# KiCad board AnalogFNN.kicad_pcb (continued)
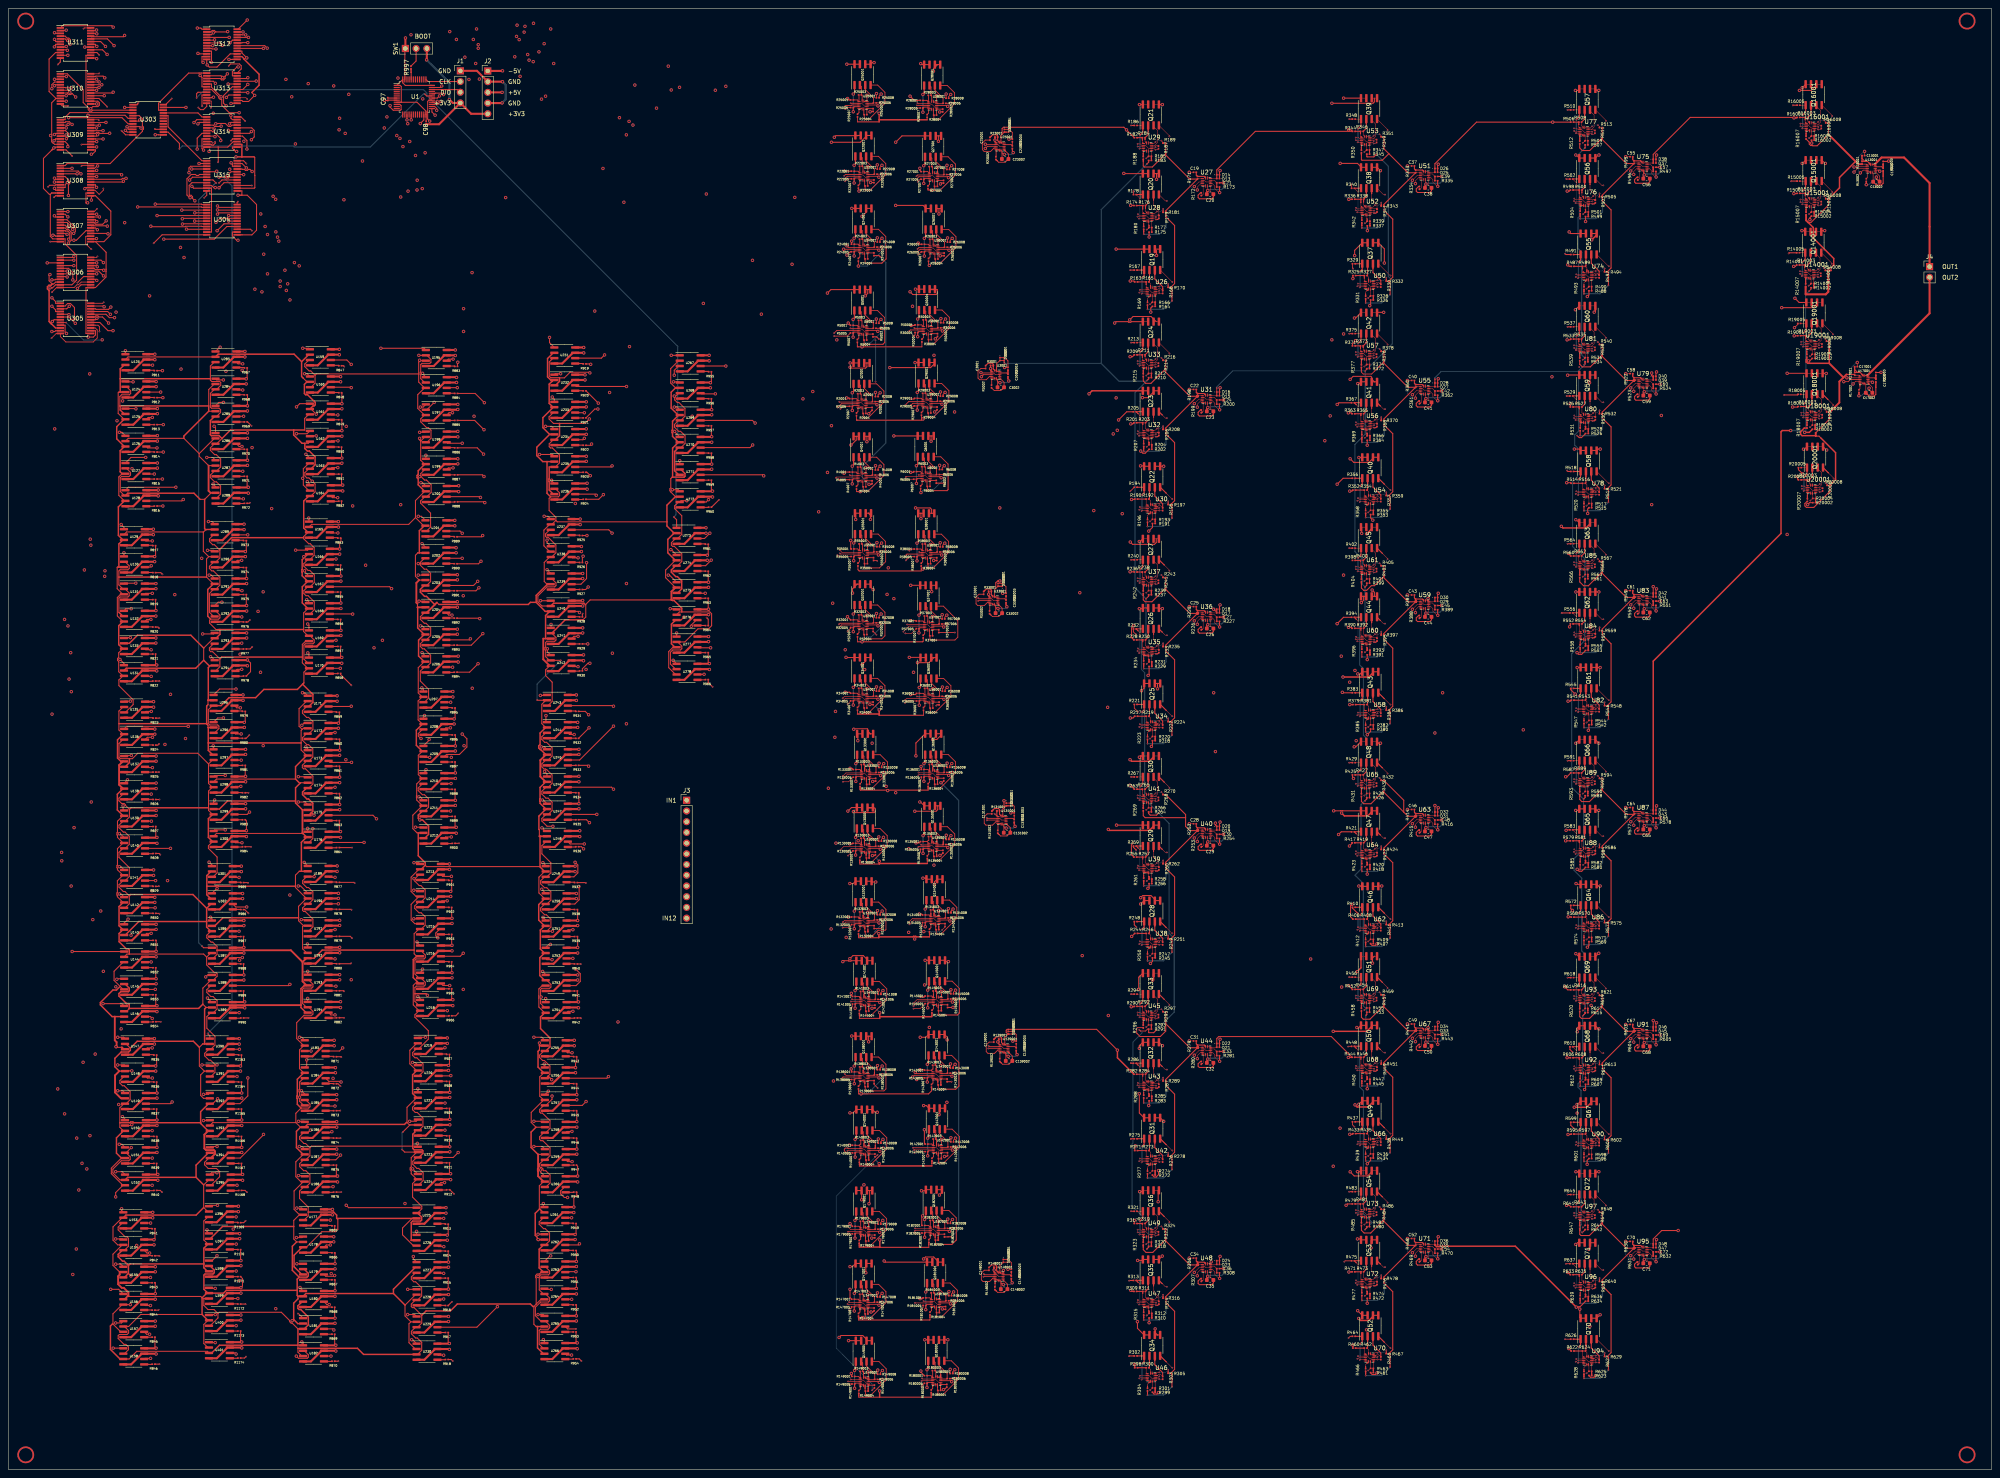
[diagram p0: board, top side]
## Routing (per net, layer and track width the routed paths; a pad name or vN(x,y) marks a point on that pad's centre or on a via; arc(x,y) is an arc through that point) (continued)
Net-(U5001D--): length 5.8
  Top w0.2: v1(203.39,272.45) 203.44,272.4 U5001.12 202.84,270.95 U5001.13 ; v1(205.69,272.85) 205.69,271.87
  Bottom w0.2: v1(203.39,272.45) 205.29,272.45 v1(205.69,272.85)
Net-(U6001A--): length 3
  Top w0.2: 216.54,237.78 U6001.1 216.14,236.65 R6001.2
Net-(U6001B--): length 2.3
  Top w0.2: U6001.6 217.14,234.65 U6001.5 216.54,233.62 R6007.1
Net-(U6001C--): length 3
  Top w0.2: R6002.2 218.52,234.57 U6001.8 218.41,234.62 R6004.1
Net-(U6001D--): length 5.8
  Top w0.2: U6001.13 217.84,236.25 U6001.12 218.44,237.7 v1(218.39,237.75) ; v1(220.69,238.15) 220.69,237.17
  Bottom w0.2: v1(218.39,237.75) 220.29,237.75 v1(220.69,238.15)
Net-(U13001B-+): length 8.8
  Top w0.15: 440.54,308.15 439.56,308.15 v1(438.91,307.5) ; v1(439.91,312.6) 439.91,311.62
  Top w0.25: 440.54,308.15 U13001.4
  Bottom w0.15: v1(439.91,312.6) 439.71,312.6 438.51,311.4 438.51,307.9 v1(438.91,307.5)
Net-(U13001B--): length 2.7
  Top w0.15: U13001.5 441.14,307.75 U13001.6 ; 440.54,307.75 440.54,306.35 R13002.1
  Top w0.25: 441.22,307.68 U13001.6
Net-(U13001C--): length 9.1
  Top w0.15: 443.48,305.4 443.48,306.71 U13001.8
  Top w0.2: v1(440.31,304.7) R13002.2 ; 443.48,305.4 442.71,306.17 v1(442.71,306.5)
  Top w0.25: 443.09,305.79 C13002.1 ; 440.31,305.09 R13002.2
  Bottom w0.2: v1(442.71,306.5) 440.91,304.7 v1(440.31,304.7)
Net-(U13001D-+): length 3.7
  Top w0.2: U13001.11 443.97,308.95 C13003.2
  Top w0.25: 444.31,309.1 C13003.2 444.31,309.1 ; 444.31,309.1 444.31,309.34 ; 444.31,309.34 R13003.1 444.31,309.34
Net-(U14001A--): length 3.5
  Top w0.1: U14001.1 425.72,284.52 425.72,285.65
  Top w0.25: 425.72,285.09 425.72,285.09 R14003.1 ; R14001.2 425.72,285.65 ; 425.86,284.39 U14001.1
Net-(U14001B--): length 3.1
  Top w0.1: U14001.5 426.59,282.65 426.74,282.5
  Top w0.25: 425.94,281.89 425.94,282.6 425.97,282.63 425.99,282.63 U14001.5 ; 425.94,281.89 425.94,281.89 R14007.1 ; 425.94,281.89 425.94,281.17 ; 426.67,282.58 U14001.6
Net-(U14001C--): length 2.9
  Top w0.1: 427.86,281.25 427.86,282.62
  Top w0.25: 427.86,281.25 427.86,280.75 ; 427.86,280.75 427.86,280.75 R14002.2 ; 427.86,280.75 427.86,280.25 ; U14001.8 427.86,282.62
Net-(U14001D--): length 4.2
  Top w0.1: v2(430.24,284.95) 430.62,284.57 430.62,284.46 ; v2(428.84,284.65) 428.44,284.25 U14001.12 427.74,284.4 U14001.13
  Top w0.25: 430.62,284.46 430.62,284.46 R14008.1
  Bottom w0.1: v2(430.24,284.95) 429.14,284.95 v2(428.84,284.65)
Net-(U15001A--): length 3.5
  Top w0.1: 425.82,302.65 425.82,301.52 U15001.1
  Top w0.25: R15001.2 425.82,302.65 ; 425.82,302.09 425.82,302.09 R15003.1 ; 425.96,301.39 U15001.1
Net-(U15001B--): length 3.1
  Top w0.1: U15001.5 426.69,299.65 426.84,299.5
  Top w0.25: R15007.1 426.04,298.89 426.04,298.89 ; 426.04,298.17 426.04,298.89 ; 426.04,298.89 426.04,299.6 426.07,299.63 426.09,299.63 U15001.5 ; 426.77,299.58 U15001.6
Net-(U15001C--): length 2.9
  Top w0.1: 427.96,298.25 427.96,299.62
  Top w0.25: 427.96,298.25 427.96,297.75 ; 427.96,297.75 427.96,297.25 ; 427.96,297.75 427.96,297.75 R15004.1 ; U15001.8 427.96,299.62
Net-(U15001D--): length 4.2
  Top w0.1: v2(430.34,301.95) 430.72,301.57 430.72,301.46 ; U15001.13 427.84,301.4 U15001.12 428.54,301.25 v2(428.94,301.65)
  Top w0.25: 430.72,301.46 430.72,301.46 R15008.1
  Bottom w0.1: v2(430.34,301.95) 429.24,301.95 v2(428.94,301.65)
Net-(U16001A--): length 3.5
  Top w0.1: 425.82,320.65 425.82,319.52 U16001.1
  Top w0.25: R16001.2 425.82,320.65 ; R16003.1 425.82,320.09 425.82,320.09 ; 425.96,319.39 U16001.1
Net-(U16001B--): length 3.1
  Top w0.1: 426.84,317.5 426.69,317.65 U16001.5
  Top w0.25: U16001.5 426.09,317.63 426.07,317.63 426.04,317.6 426.04,316.89 ; 426.04,316.89 426.04,316.89 R16007.1 ; 426.04,316.89 426.04,316.17 ; 426.77,317.58 U16001.6
Net-(U16001C--): length 2.9
  Top w0.1: 427.96,316.25 427.96,317.62
  Top w0.25: 427.96,315.75 427.96,315.75 R16004.1 ; 427.96,315.75 427.96,316.25 ; 427.96,315.75 427.96,315.25 ; U16001.8 427.96,317.62
Net-(U16001D--): length 4.2
  Top w0.1: U16001.13 427.84,319.4 U16001.12 428.54,319.25 v2(428.94,319.65) ; 430.72,319.46 430.72,319.57 v2(430.34,319.95)
  Top w0.25: R16008.1 430.72,319.46 430.72,319.46
  Bottom w0.1: v2(430.34,319.95) 429.24,319.95 v2(428.94,319.65)
Net-(U17001B-+): length 8.8
  Top w0.15: v1(438.17,262.54) 438.17,261.56 ; v1(437.17,257.44) 437.83,258.1 U17001.4
  Bottom w0.15: v1(438.17,262.54) 437.97,262.54 436.77,261.34 436.77,257.85 v1(437.17,257.44)
Net-(U17001B--): length 3.2
  Top w0.15: U17001.6 439.41,257.7 U17001.5 438.81,256.3 438.57,256.07
  Top w0.25: 438.81,257 U17001.5
Net-(U17001C--): length 9
  Top w0.15: C17002.1 441.75,256.66 U17001.8
  Top w0.2: v1(438.57,254.64) R17002.2 ; v1(440.97,256.44) 440.97,256.12 C17002.1
  Top w0.25: 438.57,255.04 R17002.2 ; 441.01,257.39 U17001.8
  Bottom w0.2: v1(440.97,256.44) 439.17,254.64 v1(438.57,254.64)
Net-(U17001D-+): length 3.7
  Top w0.2: C17003.2 442.24,258.9 U17001.11
  Top w0.25: 442.57,259.04 R17003.1 442.57,259.04 ; 442.57,259.04 442.57,258.8 ; 442.57,258.8 C17003.2 442.57,258.8
Net-(U18001A--): length 3
  Top w0.1: U18001.1 426.04,250.97 R18003.1
  Top w0.25: 426.04,251.91 R18003.1 R18001.2
Net-(U18001B--): length 3
  Top w0.1: U18001.5 426.91,249.1 U18001.6
  Top w0.25: 426.26,248.33 R18007.1 426.26,248.33 426.26,248.33 ; 426.26,248.33 426.26,249.05 426.28,249.07 426.31,249.07 U18001.5
Net-(U18001C--): length 3.2
  Top w0.1: R18004.1 428.18,249.07
  Top w0.25: U18001.8 428.18,249.07 ; 428.18,247.2 428.18,246.95 ; 428.18,247.2 R18004.1 428.18,247.2 ; 428.18,246.95 R18002.2 428.18,246.95
Net-(U18001D--): length 4.2
  Top w0.1: U18001.13 428.06,250.85 U18001.12 428.76,250.7 v2(429.16,251.1) ; 430.94,250.91 430.94,251.02 v2(430.56,251.4)
  Top w0.25: 430.94,250.91 R18008.1
  Bottom w0.1: v2(429.16,251.1) 429.46,251.4 v2(430.56,251.4)
Net-(U19001A--): length 3.5
  Top w0.1: R19003.1 425.99,267.77 U19001.1
  Top w0.25: 426.12,267.63 426.12,267.63 U19001.1 ; 425.99,268.33 R19003.1 R19001.2
Net-(U19001B--): length 3.1
  Top w0.1: U19001.5 426.86,265.9 U19001.6
  Top w0.25: 426.93,265.82 U19001.6 ; U19001.5 426.26,265.87 426.23,265.87 426.21,265.85 426.21,265.13 ; 426.21,265.13 R19007.1 426.21,265.13
Net-(U19001C--): length 2.3
  Top w0.1: 428.13,264.57 428.13,265.87
  Top w0.25: U19001.8 428.13,265.87 ; R19004.1 R19002.2
Net-(U19001D--): length 4.2
  Top w0.1: v2(430.51,268.2) 430.89,267.82 430.89,267.71 ; U19001.13 428.01,267.65 U19001.12 428.71,267.5 v2(429.11,267.9)
  Top w0.25: 430.89,267.71 R19008.1
  Bottom w0.1: v2(429.11,267.9) 429.41,268.2 v2(430.51,268.2)
Net-(U20001A--): length 3
  Top w0.1: R20003.1 426.14,233.57 U20001.1
  Top w0.25: R20001.2 R20003.1 426.14,234.51
Net-(U20001B--): length 3
  Top w0.1: 426.71,231.7 427.01,231.7 U20001.6
  Top w0.25: 426.71,231.7 U20001.5 ; 426.36,230.94 R20007.1 426.36,230.93 426.36,230.94 ; 426.36,230.94 426.36,231.65 426.38,231.68 426.41,231.68
  Top w0.35: U20001.5 426.41,231.68
Net-(U20001C--): length 3.2
  Top w0.1: R20004.1 428.28,231.67
  Top w0.25: 428.28,229.8 R20004.1 428.28,229.8 ; 428.28,229.8 428.28,229.55 ; 428.28,229.55 R20002.2 428.28,229.55 ; U20001.8 428.28,231.67
Net-(U20001D--): length 4.2
  Top w0.1: 431.04,233.51 431.04,233.62 v2(430.66,234) ; v2(429.26,233.7) 428.86,233.3 U20001.12 428.16,233.45 U20001.13
  Top w0.25: 431.04,233.51 R20008.1
  Bottom w0.1: v2(429.26,233.7) 429.56,234 v2(430.66,234)
Net-(U22001A--): length 3
  Top w0.2: 201.78,309.03 U22001.1 201.38,307.9 R22001.2
Net-(U22001B--): length 2.3
  Top w0.2: U22001.6 202.38,305.9 U22001.5 201.78,304.87 R22007.1
Net-(U22001C--): length 3
  Top w0.2: R22004.1 203.65,305.87 U22001.8 203.76,305.82 R22002.2
Net-(U22001D--): length 5.8
  Top w0.2: v1(203.63,309) 203.68,308.95 U22001.12 203.08,307.5 U22001.13 ; v1(205.93,309.4) 205.93,308.42
  Bottom w0.2: v1(205.93,309.4) 205.53,309 v1(203.63,309)
Net-(U23001B-+): length 7.4
  Top w0.2: C23001.2 231.52,315.28 230.83,314.59 230.83,313 231.22,312.6 232.78,312.6 233.58,313.4 U23001.4
Net-(U23001B--): length 2.5
  Top w0.2: 234.08,311.37 U23001.5 234.68,313 U23001.6
  Top w0.25: U23001.6 234.8,312.88
Net-(U23001C--): length 7.7
  Top w0.2: R23002.2 234.68,310.02 236.23,310.02 C23002.1 237,311.98 236.3,312.68 U23001.8
  Top w0.25: 234.35,310.35 R23002.2 ; 236.61,310.41 C23002.1 ; 236.3,312.68 U23001.8
Net-(U23001D-+): length 3
  Top w0.2: 237.93,313.94 R23003.1 ; C23003.2 237.65,314.2 U23001.11
Net-(U24001A--): length 3
  Top w0.2: 201.78,291.73 U24001.1 201.38,290.6 R24001.2
Net-(U24001B--): length 2.3
  Top w0.2: U24001.6 202.38,288.6 U24001.5 201.78,287.57 R24007.1
Net-(U24001C--): length 3
  Top w0.2: R24002.2 203.76,288.52 U24001.8 203.65,288.57 R24004.1
Net-(U24001D--): length 5.8
  Top w0.2: U24001.13 203.08,290.2 U24001.12 203.68,291.65 v1(203.63,291.7) ; v1(205.93,292.1) 205.93,291.12
  Bottom w0.2: v1(205.93,292.1) 205.53,291.7 v1(203.63,291.7)
Net-(U25001A--): length 3
  Top w0.2: R25001.2 201.18,324.8 U25001.1 201.58,325.93
Net-(U25001B--): length 2.3
  Top w0.2: R25007.1 201.58,321.77 U25001.5 202.18,322.8 U25001.6
Net-(U25001C--): length 3
  Top w0.2: R25004.1 203.45,322.77 U25001.8 203.56,322.72 R25002.2
Net-(U25001D--): length 5.8
  Top w0.2: U25001.13 202.88,324.4 U25001.12 203.48,325.85 v1(203.43,325.9) ; v1(205.73,326.3) 205.73,325.32
  Bottom w0.2: v1(205.73,326.3) 205.33,325.9 v1(203.43,325.9)
Net-(U26001A--): length 3
  Top w0.2: R26001.2 218.01,290.57 U26001.1 218.41,291.7
Net-(U26001B--): length 2.3
  Top w0.2: R26007.1 218.41,287.55 U26001.5 219.01,288.57 U26001.6
Net-(U26001C--): length 3
  Top w0.2: 221.76,288.5 220.39,288.5 U26001.8 220.28,288.55 R26004.1
Net-(U26001D--): length 5.8
  Top w0.2: U26001.13 219.71,290.18 U26001.12 220.31,291.62 v1(220.26,291.68) ; v1(222.56,292.07) 222.56,291.1
  Bottom w0.2: v1(222.56,292.07) 222.16,291.68 v1(220.26,291.68)
Net-(U27001A--): length 3
  Top w0.2: R27001.2 217.88,307.8 U27001.1 218.28,308.93
Net-(U27001B--): length 2.3
  Top w0.2: U27001.6 218.88,305.8 U27001.5 218.28,304.77 R27007.1
Net-(U27001C--): length 3
  Top w0.2: R27004.1 220.15,305.77 U27001.8 220.26,305.72 R27002.2
Net-(U27001D--): length 5.8
  Top w0.2: v1(222.43,309.3) 222.43,308.32 ; U27001.13 219.58,307.4 U27001.12 220.18,308.85 v1(220.13,308.9)
  Bottom w0.2: v1(220.13,308.9) 222.03,308.9 v1(222.43,309.3)
Net-(U28001A--): length 3
  Top w0.2: R28001.2 217.68,324.7 U28001.1 218.08,325.83
Net-(U28001B--): length 2.3
  Top w0.2: U28001.6 218.68,322.7 U28001.5 218.08,321.67 R28007.1
Net-(U28001C--): length 3
  Top w0.2: R28004.1 219.95,322.67 U28001.8 220.06,322.62 R28002.2
Net-(U28001D--): length 5.8
  Top w0.2: U28001.13 219.38,324.3 U28001.12 219.98,325.75 v1(219.93,325.8) ; v1(222.23,326.2) 222.23,325.22
  Bottom w0.2: v1(219.93,325.8) 221.83,325.8 v1(222.23,326.2)
Net-(U29001A--): length 3
  Top w0.2: R29001.2 216.34,254.05 U29001.1 216.74,255.18
Net-(U29001B--): length 2.3
  Top w0.2: U29001.6 217.34,252.05 U29001.5 216.74,251.02 R29007.1
Net-(U29001C--): length 3
  Top w0.2: R29002.2 218.72,251.97 U29001.8 218.61,252.02 R29004.1
Net-(U29001D--): length 5.8
  Top w0.2: v1(220.89,255.55) 220.89,254.57 ; v1(218.59,255.15) 218.64,255.1 U29001.12 218.04,253.65 U29001.13
  Bottom w0.2: v1(220.89,255.55) 220.49,255.15 v1(218.59,255.15)
Net-(U30001A--): length 3
  Top w0.2: 216.84,272.58 U30001.1 216.44,271.45 R30001.2
Net-(U30001B--): length 2.3
  Top w0.2: U30001.6 217.44,269.45 U30001.5 216.84,268.42 R30007.1
Net-(U30001C--): length 3
  Top w0.2: R30002.2 218.82,269.37 U30001.8 218.71,269.42 R30004.1
Net-(U30001D--): length 5.8
  Top w0.2: v1(218.69,272.55) 218.74,272.5 U30001.12 218.14,271.05 U30001.13 ; v1(220.99,272.95) 220.99,271.97
  Bottom w0.2: v1(220.99,272.95) 220.59,272.55 v1(218.69,272.55)
Net-(U32001A--): length 3
  Top w0.2: 201.58,202.63 U32001.1 201.18,201.5 R32001.2
Net-(U32001B--): length 2.3
  Top w0.2: R32007.1 201.58,198.47 U32001.5 202.18,199.5 U32001.6
Net-(U32001C--): length 3
  Top w0.2: R32002.2 203.56,199.42 U32001.8 203.45,199.47 R32004.1
Net-(U32001D--): length 5.8
  Top w0.2: U32001.13 202.88,201.1 U32001.12 203.48,202.55 v1(203.43,202.6) ; v1(205.73,203) 205.73,202.02
  Bottom w0.2: v1(205.73,203) 205.33,202.6 v1(203.43,202.6)
Net-(U33001B-+): length 7.4
  Top w0.2: C33001.2 230.02,207.58 229.33,206.89 229.33,205.3 229.72,204.9 231.28,204.9 232.08,205.7 U33001.4
Net-(U33001B--): length 2.5
  Top w0.2: U33001.6 233.18,205.3 U33001.5 232.58,203.67
  Top w0.25: U33001.6 233.3,205.18
Net-(U33001C--): length 7.7
  Top w0.2: U33001.8 234.8,204.98 235.5,204.28 C33002.1 234.73,202.32 233.18,202.32 R33002.2
  Top w0.25: 235.11,202.71 C33002.1 ; 232.85,202.65 R33002.2 ; 234.8,204.98 U33001.8
Net-(U33001D-+): length 3.2
  Top w0.2: U33001.11 236.15,206.5 C33003.2 R33003.1
  Top w0.25: 236.43,206.96 236.43,206.97 R33003.1
Net-(U34001A--): length 3
  Top w0.2: 201.58,185.23 U34001.1 201.18,184.1 R34001.2
Net-(U34001B--): length 2.3
  Top w0.2: U34001.6 202.18,182.1 U34001.5 201.58,181.07 R34007.1
Net-(U34001C--): length 3
  Top w0.2: R34004.1 203.45,182.07 U34001.8 203.56,182.02 R34002.2
Net-(U34001D--): length 5.8
  Top w0.2: U34001.13 202.88,183.7 U34001.12 203.48,185.15 v1(203.43,185.2) ; v1(205.73,185.6) 205.73,184.62
  Bottom w0.2: v1(205.73,185.6) 205.33,185.2 v1(203.43,185.2)
Net-(U35001A--): length 3
  Top w0.2: R35001.2 201.28,218.32 U35001.1 201.68,219.46
Net-(U35001B--): length 2.3
  Top w0.2: 202.43,216.18 202.28,216.32 U35001.5 201.68,215.29 R35007.1
Net-(U35001C--): length 3
  Top w0.2: R35004.1 203.55,216.29 U35001.8 203.66,216.25 R35002.2
Net-(U35001D--): length 5.8
  Top w0.2: v1(205.83,219.82) 205.83,218.84 ; v1(203.53,219.43) 203.58,219.38 U35001.12 202.98,217.93 U35001.13
  Bottom w0.2: v1(203.53,219.43) 205.43,219.43 v1(205.83,219.82)
Net-(U36001A--): length 3
  Top w0.2: 217.21,185.21 217.21,183.68 216.81,184.07 215.88,184.07
Net-(U36001B--): length 2.3
  Top w0.2: R36007.1 217.21,181.04 217.21,182.07 217.81,182.07 U36001.6
Net-(U36001C--): length 3
  Top w0.2: R36004.1 219.08,182.04 U36001.8 219.19,182 R36002.2
Net-(U36001D--): length 5.8
  Top w0.2: v1(221.36,185.57) 221.36,184.59 ; v1(219.06,185.18) 219.11,185.12 U36001.12 218.51,183.68 U36001.13
  Bottom w0.2: v1(221.36,185.57) 220.96,185.18 v1(219.06,185.18)
Net-(U37001A--): length 3
  Top w0.2: R37001.2 216.75,201.22 217.15,200.82 217.15,202.35
Net-(U37001B--): length 2.3
  Top w0.2: U37001.6 217.75,199.22 U37001.5 217.15,198.19 R37007.1
Net-(U37001C--): length 3
  Top w0.2: R37002.2 219.13,199.15 U37001.8 219.02,199.19 R37004.1
Net-(U37001D--): length 5.8
  Top w0.2: U37001.13 218.45,200.82 219.05,200.82 219.05,202.28 v1(219,202.32) ; v1(221.3,202.72) 221.3,201.75
  Bottom w0.2: v1(219,202.32) 220.9,202.32 v1(221.3,202.72)
Net-(U38001A--): length 3
  Top w0.2: 216.68,219.43 U38001.1 216.28,218.3 R38001.2
Net-(U38001B--): length 2.3
  Top w0.2: U38001.6 217.28,216.3 U38001.5 216.68,215.27 R38007.1
Net-(U38001C--): length 3
  Top w0.2: R38002.2 218.66,216.22 U38001.8 218.55,216.27 R38004.1
Net-(U38001D--): length 5.8
  Top w0.2: U38001.13 217.98,217.9 U38001.12 218.58,219.35 v1(218.53,219.4) ; v1(220.83,219.8) 220.83,218.82
  Bottom w0.2: v1(218.53,219.4) 220.43,219.4 v1(220.83,219.8)
Net-(U130001A--): length 3.7
  Top w0.2: R130001.2 201.72,148.53 202.12,148.12 202.12,149.66
  Top w0.25: U130001.1 202.12,148.8 202.12,148.8
Net-(U130001B--): length 2.4
  Top w0.2: 201.77,145.15 202.12,145.5 202.12,146.53 ; U130001.6 202.72,146.53 U130001.5
  Top w0.25: 202.8,146.45 U130001.6
Net-(U130001C--): length 3.8
  Top w0.2: R130002.2 204.1,146.44 204.02,146.53 203.99,146.5 R130004.1
  Top w0.25: 203.99,145.76 R130004.1 ; 204.01,146.51 U130001.8
Net-(U130001D--): length 5.8
  Top w0.2: 203.72,148.12 203.42,148.12 203.27,148.28 ; v1(206.27,150.03) 206.27,149.04 ; v1(203.97,149.62) 204.02,149.57 204.02,148.12
  Top w0.25: 203.72,148.12 U130001.12
  Bottom w0.2: v1(203.97,149.62) 205.87,149.62 v1(206.27,150.03)
Net-(U131001B-+): length 7.4
  Top w0.2: U131001.4 234.02,153.62 233.22,152.82 231.67,152.82 231.27,153.22 231.27,154.81 231.96,155.5 C131001.2
Net-(U131001B--): length 2.5
  Top w0.2: U131001.6 235.24,153.1 235.12,153.22 234.52,153.22 234.52,151.59
  Top w0.25: U131001.5 234.52,153.22 ; U131001.6 235.24,153.1
Net-(U131001C--): length 7.6
  Top w0.2: 236.42,153.22 237.44,152.2 C131002.1 236.67,150.25 235.12,150.25 R131002.2
  Top w0.25: 236.74,152.9 U131001.8 ; 237.44,151.55 C131002.1 ; 234.8,150.58 R131002.2
Net-(U131001D-+): length 3
  Top w0.2: 238.37,154.16 238.37,155.1 ; 236.42,154.43 238.09,154.43 C131003.2
  Top w0.25: U131001.11 236.42,154.43
Net-(U132001A--): length 3.3
  Top w0.2: R132001.2 201.42,131.05 U132001.1 201.82,132.18
  Top w0.25: 201.62,130.85 U132001.1
Net-(U132001B--): length 2.4
  Top w0.2: R132007.1 201.82,128.02 U132001.5 202.42,129.05 U132001.6
  Top w0.25: 202.49,128.97 U132001.6
Net-(U132001C--): length 3.5
  Top w0.2: R132004.1 203.69,129.02 U132001.8 203.8,128.97 R132002.2
  Top w0.25: 203.7,129.03 U132001.8 ; 203.69,127.99 R132004.1
Net-(U132001D--): length 6.5
  Top w0.2: v1(205.97,132.55) 205.97,131.57 ; U132001.13 203.12,130.65 U132001.12 203.72,132.1 v1(203.67,132.15)
  Top w0.25: 203.72,131.38 203.72,131.37 U132001.12
  Bottom w0.2: v1(205.97,132.55) 205.57,132.15 v1(203.67,132.15)
Net-(U133001A--): length 3.3
  Top w0.2: 202.19,167.13 U133001.1 201.79,166 R133001.2
  Top w0.25: 201.99,165.8 U133001.1
Net-(U133001B--): length 2.4
  Top w0.2: U133001.6 202.79,164 U133001.5 202.19,162.97 R133007.1
  Top w0.25: U133001.6 202.86,163.93
Net-(U133001C--): length 3.8
  Top w0.2: R133004.1 204.06,163.97 U133001.8 204.17,163.92 R133002.2
  Top w0.25: 204.06,163.24 204.06,163.23 R133004.1 ; 204.07,163.99 U133001.8
Net-(U133001D--): length 6.5
  Top w0.2: U133001.13 203.49,165.6 U133001.12 204.09,167.05 v1(204.04,167.1) ; v1(206.34,167.5) 206.34,166.52
  Top w0.25: 204.09,166.32 U133001.12
  Bottom w0.2: v1(204.04,167.1) 205.94,167.1 v1(206.34,167.5)
Net-(U134001A--): length 3.7
  Top w0.2: R134001.2 218.22,131.53 218.62,131.12 218.62,132.66
  Top w0.25: 218.62,131.8 218.62,131.8 U134001.1
Net-(U134001B--): length 2.4
  Top w0.2: 218.62,129.53 218.62,128.5 218.27,128.15 ; U134001.6 219.22,129.53 U134001.5
  Top w0.25: 219.3,129.45 U134001.6
Net-(U134001C--): length 3.8
  Top w0.2: R134002.2 220.6,129.44 220.52,129.53 220.49,129.5 R134004.1
  Top w0.25: 220.51,129.51 U134001.8 ; 220.49,128.76 R134004.1
Net-(U134001D--): length 5.8
  Top w0.2: v1(220.47,132.62) 220.52,132.57 220.52,131.12 ; 220.22,131.12 219.92,131.12 219.77,131.28 ; v1(222.77,133.03) 222.77,132.04
  Top w0.25: 220.22,131.12 U134001.12
  Bottom w0.2: v1(220.47,132.62) 222.37,132.62 v1(222.77,133.03)
Net-(U135001A--): length 2.9
  Top w0.2: 218.12,150.06 218.12,149.2 218,149.2 217.72,148.93 ; 217.72,148.93 R135001.2 ; 217.72,148.93 218.12,148.53
Net-(U135001B--): length 2.4
  Top w0.2: 218.12,146.93 218.12,145.9 217.77,145.55 ; U135001.5 218.72,146.93 U135001.6
  Top w0.25: 218.8,146.85 U135001.6
Net-(U135001C--): length 3.4
  Top w0.2: R135004.1 219.99,146.9 220.02,146.93 220.1,146.84 R135002.2
  Top w0.25: 220.01,146.91 U135001.8 ; 219.99,145.86 R135004.1
Net-(U135001D--): length 6.5
  Top w0.2: v1(219.97,150.03) 220.02,149.97 220.02,148.53 219.42,148.53 219.27,148.68 ; v1(222.27,150.43) 222.27,149.44
  Top w0.25: 220.02,149.25 220.02,149.25 U135001.12
  Bottom w0.2: v1(222.27,150.43) 221.87,150.03 v1(219.97,150.03)
Net-(U136001A--): length 3.7
  Top w0.2: 218.32,167.16 218.32,165.62 217.92,166.03 R136001.2
  Top w0.25: U136001.1 218.32,166.3 218.32,166.3
Net-(U136001B--): length 2.4
  Top w0.2: 217.97,162.65 218.32,163 218.32,164.03 ; U136001.5 218.92,164.03 U136001.6
  Top w0.25: 219,163.95 U136001.6
Net-(U136001C--): length 3.8
  Top w0.2: R136002.2 220.3,163.94 220.22,164.03 220.19,164 R136004.1
  Top w0.25: 220.19,163.26 R136004.1 ; 220.21,164.01 U136001.8
Net-(U136001D--): length 5.8
  Top w0.2: 220.22,165.62 220.22,167.07 v1(220.17,167.12) ; 219.47,165.78 219.62,165.62 219.92,165.62 ; v1(222.47,167.53) 222.47,166.54
  Top w0.25: 219.92,165.62 U136001.12
  Bottom w0.2: v1(222.47,167.53) 222.07,167.12 v1(220.17,167.12)
Net-(U138001A--): length 3.3
  Top w0.2: R138001.2 201.42,94.3 U138001.1 201.82,95.43
  Top w0.25: 201.62,94.1 U138001.1
Net-(U138001B--): length 2.4
  Top w0.2: R138007.1 201.82,91.27 U138001.5 202.42,92.3 U138001.6
  Top w0.25: 202.49,92.23 U138001.6
Net-(U138001C--): length 3.8
  Top w0.2: R138004.1 203.69,92.27 U138001.8 203.8,92.22 R138002.2
  Top w0.25: 203.69,91.54 203.69,91.53 R138004.1 ; 203.7,92.29 U138001.8
Net-(U138001D--): length 5.8
  Top w0.2: 203.42,93.9 203.12,93.9 U138001.13 ; v1(203.67,95.4) 203.72,95.35 U138001.12 ; v1(205.97,95.8) 205.97,94.82
  Top w0.25: 203.42,93.9 U138001.12
  Bottom w0.2: v1(203.67,95.4) 205.57,95.4 v1(205.97,95.8)
Net-(U139001B-+): length 7.4
  Top w0.2: U139001.4 234.5,99.5 233.69,98.7 232.14,98.7 231.74,99.1 231.74,100.69 232.43,101.38 C139001.2
Net-(U139001B--): length 2.5
  Top w0.2: 234.99,97.47 U139001.5 235.59,99.1 U139001.6
  Top w0.25: U139001.6 235.71,98.98
Net-(U139001C--): length 7.6
  Top w0.2: U139001.8 237.91,98.07 237.91,96.9 237.14,96.12 235.59,96.12 R139002.2
  Top w0.25: 237.21,98.78 U139001.8 ; 237.91,97.43 237.91,97.42 C139002.1 ; 235.27,96.45 R139002.2
Net-(U139001D-+): length 3
  Top w0.2: C139003.2 238.56,100.3 U139001.11 ; 238.84,100.04 R139003.1
Net-(U140001A--): length 2.9
  Top w0.2: R140001.2 201.62,76.9 ; 201.62,76.9 U140001.1 ; 201.62,76.9 201.89,77.17 202.02,77.17 202.02,78.03
Net-(U140001B--): length 2.4
  Top w0.2: R140007.1 202.02,73.87 U140001.5 202.62,74.9 U140001.6
  Top w0.25: 202.69,74.82 U140001.6
Net-(U140001C--): length 3.8
  Top w0.2: R140004.1 203.89,74.87 U140001.8 204,74.82 R140002.2
  Top w0.25: 203.89,74.13 203.89,74.13 R140004.1 ; 203.9,74.88 U140001.8
Net-(U140001D--): length 6.5
  Top w0.2: U140001.13 203.32,76.5 U140001.12 203.92,77.95 v1(203.87,78) ; v1(206.17,78.4) 206.17,77.42
  Top w0.25: 203.92,77.22 U140001.12
  Bottom w0.2: v1(203.87,78) 205.77,78 v1(206.17,78.4)
Net-(U141001A--): length 3.3
  Top w0.2: 202.02,113.33 U141001.1 201.62,112.2 R141001.2
  Top w0.25: 201.82,112 U141001.1
Net-(U141001B--): length 2.4
  Top w0.2: R141007.1 202.02,109.17 U141001.5 202.62,110.2 U141001.6
  Top w0.25: 202.69,110.12 U141001.6
Net-(U141001C--): length 3.8
  Top w0.2: R141002.2 204,110.12 U141001.8 203.89,110.17 R141004.1
  Top w0.25: 203.9,110.19 U141001.8 ; 203.89,109.44 203.89,109.43 R141004.1
Net-(U141001D--): length 6.5
  Top w0.2: v1(206.17,113.7) 206.17,112.72 ; v1(203.87,113.3) 203.92,113.25 U141001.12 203.32,111.8 U141001.13
  Top w0.25: 203.92,112.52 U141001.12
  Bottom w0.2: v1(206.17,113.7) 205.77,113.3 v1(203.87,113.3)
Net-(U142001A--): length 3.7
  Top w0.2: 219.22,78.33 U142001.1 218.82,77.2 R142001.2
  Top w0.25: 219.22,77.47 U142001.1
Net-(U142001B--): length 2.4
  Top w0.2: R142007.1 219.22,74.17 U142001.5 219.82,75.2 U142001.6
  Top w0.25: 219.89,75.12 U142001.6
Net-(U142001C--): length 3.3
  Top w0.2: R142004.1 221.09,75.17 U142001.8 221.2,75.12 R142002.2
  Top w0.25: 221.1,75.19 U142001.8 ; 221.09,74.03 R142004.1
Net-(U142001D--): length 5.8
  Top w0.2: 220.82,76.8 220.52,76.8 U142001.13 ; U142001.12 221.12,78.25 v1(221.07,78.3) ; v1(223.37,78.7) 223.37,77.72
  Top w0.25: 220.82,76.8 U142001.12
  Bottom w0.2: v1(223.37,78.7) 222.97,78.3 v1(221.07,78.3)
Net-(U143001A--): length 2.9
  Top w0.2: R143001.2 218.72,94.7 ; 218.72,94.7 218.99,94.97 219.12,94.97 219.12,95.83 ; 218.72,94.7 U143001.1
Net-(U143001B--): length 2.4
  Top w0.2: U143001.6 219.72,92.7 U143001.5 219.12,91.67 R143007.1
  Top w0.25: 219.79,92.62 U143001.6
Net-(U143001C--): length 3.8
  Top w0.2: R143002.2 221.1,92.62 U143001.8 220.99,92.67 R143004.1
  Top w0.25: R143004.1 220.99,91.93 220.99,91.94 ; 221,92.69 U143001.8
Net-(U143001D--): length 5.8
  Top w0.2: v1(223.27,96.2) 223.27,95.22 ; 220.72,94.3 220.42,94.3 U143001.13 ; U143001.12 221.02,95.75 v1(220.97,95.8)
  Top w0.25: 220.72,94.3 U143001.12
  Bottom w0.2: v1(220.97,95.8) 222.87,95.8 v1(223.27,96.2)
Net-(U145001A--): length 3.7
  Top w0.2: 219.22,113.43 U145001.1 218.82,112.3 R145001.2
  Top w0.25: 219.22,112.57 U145001.1
Net-(U145001B--): length 2.4
  Top w0.2: U145001.6 219.82,110.3 U145001.5 219.22,109.27 R145007.1
  Top w0.25: 219.89,110.22 U145001.6
Net-(U145001C--): length 3.8
  Top w0.2: R145004.1 221.09,110.27 U145001.8 221.2,110.22 R145002.2
  Top w0.25: U145001.8 221.1,110.28 ; R145004.1 221.09,109.53 221.09,109.53
Net-(U145001D--): length 6.5
  Top w0.2: v1(221.07,113.4) 221.12,113.35 U145001.12 220.52,111.9 U145001.13 ; v1(223.37,113.8) 223.37,112.82
  Top w0.25: 221.12,112.62 U145001.12
  Bottom w0.2: v1(221.07,113.4) 222.97,113.4 v1(223.37,113.8)
Net-(U147001A--): length 3
  Top w0.2: 200.49,40.39 201.42,40.39 201.82,40 201.82,41.52
  Top w0.25: U147001.1 201.82,40
Net-(U147001B--): length 2.9
  Top w0.2: 201.47,37.02 201.82,37.37 201.82,38.39 202.42,38.39 U147001.6
  Top w0.25: 201.82,37.88 U147001.5
Net-(U147001C--): length 3.8
  Top w0.2: 203.69,36.89 203.69,38.37 203.72,38.39 203.8,38.31 205.17,38.31
  Top w0.25: 203.76,38.36 U147001.8 ; 203.69,37.63 R147004.1
Net-(U147001D--): length 6.6
  Top w0.2: U147001.13 203.12,40 203.72,40 203.72,41.44 v1(203.67,41.5) ; v1(205.97,41.89) 205.97,40.92
  Top w0.25: 203.04,40.07 U147001.13 ; 203.72,40.72 U147001.12
  Bottom w0.2: v1(203.67,41.5) 205.57,41.5 v1(205.97,41.89)
Net-(U148001B-+): length 7.4
  Top w0.2: 232.38,47.27 231.27,47.27 230.58,46.58 230.58,45 230.98,44.6 232.54,44.6 233.34,45.39 233.83,45.39
  Top w0.25: 233.83,45.39 U148001.4
Net-(U148001B--): length 3.3
  Top w0.2: 233.83,43.37 233.83,45 234.43,45 234.58,44.85
  Top w0.25: U148001.6 234.58,44.84 ; 233.83,44.18 U148001.5
Net-(U148001C--): length 6.7
  Top w0.2: 236.76,42.8 236.76,43.97 U148001.8 ; C148002.1 235.98,42.02 234.44,42.02 233.78,42.68
  Top w0.25: 234.11,42.35 R148002.2
Net-(U148001D-+): length 3.4
  Top w0.2: 237.68,46.88 237.68,45.92 237.4,46.19 235.73,46.19
  Top w0.25: 237.54,46.06 C148003.2 ; R148003.1 237.68,46.66 237.68,46.66 ; U148001.11 235.73,46.19
Net-(U149001A--): length 3
  Top w0.2: 200.55,22.1 201.48,22.1 201.88,21.69 201.88,23.23
  Top w0.25: U149001.1 201.88,21.69
Net-(U149001B--): length 2.9
  Top w0.2: 201.53,18.72 201.88,19.06 201.88,20.1 202.48,20.1 U149001.6
  Top w0.25: 201.88,19.58 201.88,19.58 U149001.5
Net-(U149001C--): length 3.8
  Top w0.2: 203.75,18.6 203.75,20.06 203.78,20.1 203.86,20.01 205.23,20.01
  Top w0.25: 203.82,20.06 U149001.8 ; 203.75,19.33 R149004.1
Net-(U149001D--): length 5.9
  Top w0.2: v1(206.03,23.6) 206.03,22.62 ; v1(203.73,23.19) 203.78,23.14 203.78,21.69 203.18,21.69 U149001.13
  Top w0.25: 203.11,21.77 U149001.13 ; 203.78,21.69 U149001.12
  Bottom w0.2: v1(203.73,23.19) 205.63,23.19 v1(206.03,23.6)
Net-(U179001A--): length 3
  Top w0.2: 201.98,58.82 201.98,57.3 201.58,57.69 200.65,57.69
  Top w0.25: U179001.1 201.98,57.3
Net-(U179001B--): length 2.9
  Top w0.2: U179001.6 202.58,55.69 201.98,55.69 201.98,54.67 201.63,54.32
  Top w0.25: U179001.5 201.98,55.18 201.98,55.18
Net-(U179001C--): length 3.5
  Top w0.2: 203.85,54.19 203.85,55.67 203.88,55.69 203.96,55.62 205.33,55.62
  Top w0.25: 203.85,54.6 R179004.1 ; 203.92,55.65 U179001.8
Net-(U179001D--): length 6.6
  Top w0.2: v1(206.13,59.19) 206.13,58.21 ; v1(203.83,58.8) 203.88,58.75 203.88,57.3 203.28,57.3 U179001.13
  Top w0.25: 203.21,57.37 U179001.13 ; U179001.12 203.88,58.02 203.88,58.02
  Bottom w0.2: v1(203.83,58.8) 205.73,58.8 v1(206.13,59.19)
Net-(U180001A--): length 3
  Top w0.2: 219.05,23.4 U180001.1 218.65,22.27 R180001.2
Net-(U180001B--): length 2.9
  Top w0.2: U180001.6 219.65,20.27 U180001.5 219.05,19.24 R180007.1
  Top w0.25: 219.05,19.76 U180001.5
Net-(U180001C--): length 3.8
  Top w0.2: R180002.2 221.03,20.19 U180001.8 220.92,20.24 R180004.1
  Top w0.25: 220.92,19.5 R180004.1 ; 220.99,20.23 U180001.8
Net-(U180001D--): length 6.6
  Top w0.2: v1(223.2,23.77) 223.2,22.79 ; v1(220.9,23.37) 220.95,23.32 U180001.12 220.35,21.87 U180001.13
  Top w0.25: U180001.12 220.95,22.59 220.95,22.6 ; U180001.13 220.27,21.94 220.27,21.94
  Bottom w0.2: v1(223.2,23.77) 222.8,23.37 v1(220.9,23.37)
Net-(U181001A--): length 3
  Top w0.2: R181001.2 218.35,40.72 U181001.1 218.75,41.85
Net-(U181001B--): length 2.9
  Top w0.2: 219.5,38.57 219.35,38.72 U181001.5 218.75,37.69 R181007.1
  Top w0.25: 218.75,38.2 218.75,38.21 U181001.5 ; U181001.6 219.5,38.57
Net-(U181001C--): length 3.8
  Top w0.2: 222.1,38.64 220.73,38.64 U181001.8 220.62,38.69 220.62,37.22
  Top w0.25: R181004.1 220.62,37.95 220.62,37.95 ; U181001.8 220.69,38.68
Net-(U181001D--): length 6.6
  Top w0.2: v1(220.6,41.82) 220.65,41.77 U181001.12 220.05,40.32 219.9,40.47 ; v1(222.9,42.22) 222.9,41.24
  Top w0.25: 220.65,41.04 U181001.12 ; 219.98,40.39 U181001.13
  Bottom w0.2: v1(222.9,42.22) 222.5,41.82 v1(220.6,41.82)
Net-(U182001A--): length 3
  Top w0.2: 217.15,57.89 218.08,57.89 218.48,57.5 218.48,59.02
  Top w0.25: U182001.1 218.48,57.5
Net-(U182001B--): length 2.9
  Top w0.2: U182001.6 219.08,55.89 218.48,55.89 218.48,54.87 218.13,54.52
  Top w0.25: U182001.5 218.48,55.38 218.48,55.38
Net-(U182001C--): length 3.8
  Top w0.2: 221.83,55.81 220.46,55.81 220.38,55.89 220.35,55.87 220.35,54.39
  Top w0.25: 220.35,55.13 R182004.1 ; 220.42,55.86 U182001.8
Net-(U182001D--): length 6.6
  Top w0.2: v1(220.33,59) 220.38,58.94 220.38,57.5 219.78,57.5 U182001.13 ; v1(222.63,59.39) 222.63,58.42
  Top w0.25: 220.38,58.22 220.38,58.22 U182001.12 ; 219.71,57.57 U182001.13
  Bottom w0.2: v1(222.63,59.39) 222.23,59 v1(220.33,59)

## Copper pours and planes (outline as drawn; the poured copper is in the pictures)
+5V on 5V_In2.Cu: 572.1,-51.6 -2,-51.6 -2,348.6 572.1,348.6
-5V on Neg5V_In4.Cu: 572.1,-51.6 -2.1,-51.6 -2.1,348.7 572.1,348.7
GND on GND_In3.Cu: 572,-51.5 -2,-51.5 -2,348.6 572,348.6

## Text on the board
F.Silkscreen: BOOT | +3V3 | GND | CLK | DIO | -5V | +5V | IN12 | IN1 | OUT1 | OUT2
